# KiCad board handcart.kicad_pcb (continued)
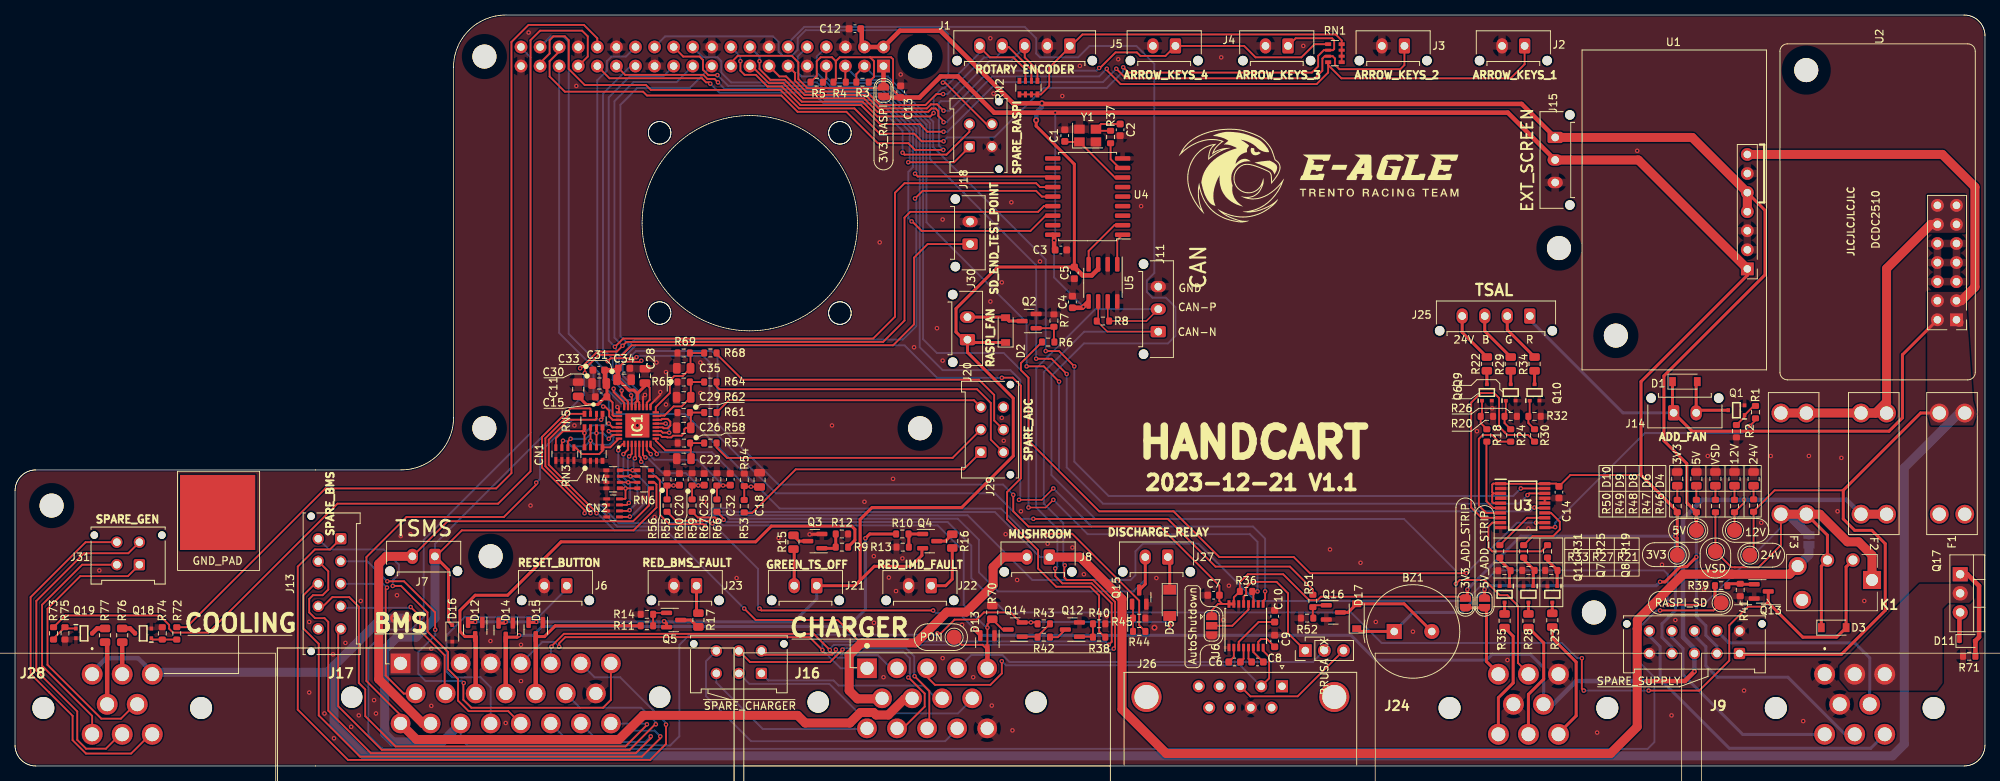
[diagram p0: board, top side]
## Routing (per net, layer and track width the routed paths; a pad name or vN(x,y) marks a point on that pad's centre or on a via; arc(x,y) is an arc through that point) (continued)
/Raspberry/RASP_MISO: length 135.9
  Top w0.25: v1(75.23,52.97) 75.3,52.97 77.53,55.19 80.12,55.19 v1(80.88,55.95) 81.4,56.47 115.56,56.47 118.41,59.32 118.41,73.03 119.17,73.79 136.19,73.79 136.95,74.56 U4.15 ; v1(78.3,47.86) 78.54,47.86 79.1,47.3 79.1,46.56 79.56,46.1 IC1.27
  Bottom w0.25: v1(78.3,47.86) 77.01,49.16 77.01,52.46 76.24,53.22 75.48,53.22 v1(75.23,52.97) ; v1(80.88,55.95) 79.8,57.03 79.8,88.53 82.34,91.07 88.07,91.07 J19.21
/Raspberry/RASP_MOSI: length 137.5
  Top w0.25: U4.14 136.7,75.83 135.93,76.59 120.82,76.59 v1(119.81,75.57) ; v1(79.68,50.24) 79.68,49.78 81.1,48.37 IC1.24
  Bottom w0.25: 81.69,55.97 81.69,56.16 80.58,57.26 80.58,88.04 82.85,90.3 89.85,90.3 J19.19 ; 81.69,55.97 81.69,55.72 80.45,54.48 80.45,51.81 82.64,49.62 82.64,49.1 82.28,48.73 80.99,48.73 79.68,50.03 v1(79.68,50.24) ; 81.69,55.97 82.5,56.78 118.15,56.78 119.98,58.6 119.98,75.4 v1(119.81,75.57)
/Raspberry/RASP_~{CS}: length 69.9
  Top w0.25: v1(93.5,92) 92.3,92 91.58,92.72 91.58,94.02 91.12,94.48 88.94,94.48 J19.24 ; v1(119.36,72.52) 119.42,72.52 120.69,71.25 135.17,71.25 137.2,73.29 U4.16
  Bottom w0.25: v1(119.36,72.52) 118.92,72.96 118.92,79.13 119.53,79.74 119.53,84.68 115.08,89.13 108.02,89.13 106.57,90.58 94.92,90.58 v1(93.5,92)
/RESET_BUTTON: length 35
  Bottom w0.25: 73.45,23.61 69.64,19.81 59.85,19.81 57.45,17.41 57.45,12.58 58.21,11.82 61.98,11.82 63.32,10.47 63.32,5.64
/ROT_A: length 86.5
  Top w0.25: 134.41,95.73 134.41,94.37 136.11,92.67 RN2.5 ; 72.43,95.13 71.16,93.86 71.16,91.83 73.2,89.8 83.61,89.8 84.12,89.29 102,89.29 104.18,87.12 110.67,87.12 114.85,82.94 118.92,82.94 119.82,82.04 v1(123.57,82.04)
  Bottom w0.25: v1(123.57,82.04) 122.98,82.63 122.98,88.27 123.23,88.53 124.38,88.53 129.77,93.92 132.6,93.92 134.41,95.73
/ROT_B: length 40.8
  Top w0.25: v1(123.55,89.48) 122.66,89.48 121.2,88.02 115.17,88.02 113.37,89.82 105.3,89.82 103.83,91.28 103.83,92.29 J19.11 ; RN2.6 135.31,92.71 132.28,95.73 131.41,95.73
  Bottom w0.25: 131.41,95.18 130.6,94.37 129.01,94.37 124.12,89.48 v1(123.55,89.48)
/RS_232+FEEDBACK/ADC_0: length 13.5
  Top w0.25: v1(75.81,44.33) RN3.4 ; v1(75.81,44.33) RN5.5 ; v1(75.81,44.33) 75.55,44.58 72.94,44.58 72,43.64 CN1.8 ; v1(79.04,45.6) 79.54,45.1 IC1.29
  Bottom w0.25: v1(79.04,45.6) 78.78,45.35 76.82,45.35 v1(75.81,44.33)
/RS_232+FEEDBACK/ADC_1: length 14.3
  Top w0.25: v1(72.94,43.31) 72.8,43.17 CN1.7 ; IC1.30 79.05,44.6 v1(79.04,44.58) ; RN3.3 v1(76.61,43.31) RN5.6
  Bottom w0.25: v1(79.04,44.58) 79.04,44.45 79.66,43.83 79.66,43.31 79.16,42.81 77.11,42.81 v1(76.61,43.31) 75.84,42.55 74.09,42.55 73.33,43.31 v1(72.94,43.31)
/RS_232+FEEDBACK/ADC_2: length 11.3
  Top w0.25: RN5.7 v1(77.41,44.33) RN3.2 ; IC1.31 79.57,44.1 v1(79.04,43.57) ; v1(73.96,43.57) 73.6,43.21 CN1.6
  Bottom w0.25: v1(79.04,43.57) 78.28,44.33 v1(77.41,44.33) 76.74,44.33 75.98,43.57 v1(73.96,43.57)
/RS_232+FEEDBACK/ADC_3: length 10.1
  Top w0.25: RN3.1 78.21,41.97 77.77,41.54 75.48,41.54 74.63,42.39 CN1.5 ; RN3.1 79.24,42.44 IC1.32 ; RN3.1 RN5.8
/RS_232+FEEDBACK/ADC_4: length 11.3
  Top w0.2: v1(80.31,42.04) 80.31,42.11
  Top w0.25: v1(80.31,42.04) 80.31,42.3 80.91,42.9 IC1.1 ; v1(81.27,36.96) 81.28,36.98 RN6.8 ; v1(81.27,36.96) 81.27,35.64 81.2,35.57 CN2.8 ; v1(81.27,36.96) 81.25,36.98 RN4.1
  Bottom w0.25: v1(81.27,36.96) 81.27,37.25 80.31,38.21 v1(80.31,42.04)
/RS_232+FEEDBACK/ADC_5: length 12.3
  Top w0.25: RN6.7 v1(81.63,37.78) RN4.2 ; v1(81.72,35.04) 81.45,34.77 CN2.7 ; IC1.2 81.6,42.14 v1(80.99,41.54)
  Bottom w0.25: v1(81.72,35.04) 81.89,35.21 81.89,37.51 v1(81.63,37.78) 80.99,38.42 v1(80.99,41.54)
/RS_232+FEEDBACK/ADC_6: length 13.7
  Top w0.25: CN2.6 81.72,33.97 v1(81.8,34.06) ; RN4.3 v1(81.92,38.58) RN6.6 ; IC1.3 82.1,41.57 v1(81.75,41.22)
  Bottom w0.25: v1(81.75,41.22) 81.58,41.05 81.58,38.92 v1(81.92,38.58) 82.85,37.65 82.85,35.1 v1(81.8,34.06)
/RS_232+FEEDBACK/ADC_7: length 15.5
  Top w0.25: v1(82.51,40.97) 82.6,41.06 IC1.4 ; RN4.4 v1(82.21,39.38) RN6.5 ; CN2.5 81.8,33.17 v1(81.84,33.21)
  Bottom w0.25: v1(82.51,40.97) 82.34,40.8 82.34,39.5 v1(82.21,39.38) 84.23,37.35 84.23,35.43 82.01,33.21 v1(81.84,33.21)
/RS_232+FEEDBACK/ADC_8: length 11.3
  Top w0.25: 88.44,37.35 v1(87.66,37.35) R56.2 86.79,35.77 ; v1(83.36,40.52) 83.3,40.58 83.3,41.07 83.1,41.27 IC1.5
  Bottom w0.25: v1(87.66,37.35) 86.53,37.35 v1(83.36,40.52)
/RS_232+FEEDBACK/ADC_9: length 14
  Top w0.25: R59.1 R60.2 v1(90.96,37.35) 91.74,37.35 ; v1(83.92,41.08) 83.6,41.41 IC1.6
  Bottom w0.25: v1(83.92,41.08) 84.15,41.08 86.24,39 89.31,39 v1(90.96,37.35)
/RS_232+FEEDBACK/ADC_10: length 16.7
  Top w0.25: IC1.7 84.1,42.06 v1(84.63,41.54) ; R66.1 R67.2 v1(94.26,37.35) 95.21,37.35
  Bottom w0.25: v1(94.26,37.35) 90.84,40.77 85.12,40.77 84.63,41.27 v1(84.63,41.54)
/RS_232+FEEDBACK/ADC_11: length 20
  Top w0.25: 97.08,35.51 97.08,37.19 v1(97.97,37.19) 99.11,37.19 ; v1(85.43,41.54) 85.43,41.71 84.6,42.54 IC1.8
  Bottom w0.25: v1(85.43,41.54) 85.68,41.79 92.75,41.79 97.35,37.19 v1(97.97,37.19)
/RS_232+FEEDBACK/ADC_12: length 9.3
  Top w0.25: IC1.9 85.3,43.32 86.58,42.04 89.91,42.04 89.95,42.09 89.95,42.14 ; 89.95,42.14 89.95,43 ; 89.95,42.14 89.95,40.96 ; 91.65,43 89.95,43
/RS_232+FEEDBACK/ADC_13: length 9.3
  Top w0.25: IC1.10 85.88,44.1 86.15,43.82 86.76,43.82 86.82,43.76 87.36,43.76 87.58,43.98 88.75,43.98 89.09,44.33 89.09,44.84 89.29,45.03 C26.1 89.96,46.94 ; 91.65,47.07 89.92,47.07
/RS_232+FEEDBACK/ADC_14: length 9.5
  Top w0.25: 89.96,51.01 C29.1 88.75,47.89 87.67,47.89 86.46,46.67 85.95,46.67 85.88,46.6 IC1.15 ; R64.1 R65.2
/RS_232+FEEDBACK/ADC_15: length 12.2
  Top w0.25: 89.92,54.91 C35.1 88.89,51.93 87.77,51.93 87.17,51.33 87.17,49.66 85.3,47.8 IC1.16 ; 91.65,55 R69.2
/RS_232+FEEDBACK/COIL_DISCHARGE_FB: length 87.1
  Top w0.25: RN6.3 85.3,38.58 85.84,38.04 85.84,33.47 87.11,32.2 91.63,32.2 v1(91.87,31.96)
  Top w0.4: Q15.3 150.46,24.23 J27.2
  Bottom w0.25: J27.2 150.46,24.82 148.89,23.25 130.85,23.25 128.31,25.79 128.31,30.11 125.49,32.93 95.13,32.93 94.66,33.41 93.07,33.41 91.87,32.21 v1(91.87,31.96)
/RS_232+FEEDBACK/COOLING_1: length 4
  Top w0.6: R76.2 14.27,12.47
/RS_232+FEEDBACK/COOLING_2: length 8.1
  Top w0.6: R77.2 12.27,16.21 12.27,8.47
/RS_232+FEEDBACK/NC_ADC_11: length 34.9
  Top w0.25: J29.1 126.28,39.5 103.93,39.5 98.11,33.68 97.07,33.68
/RS_232+FEEDBACK/NC_ADC_12: length 37.9
  Top w0.25: R57.2 93.39,42.42 94.79,41.03 124.81,41.03 J29.2
/RS_232+FEEDBACK/NC_ADC_13: length 36.2
  Top w0.25: J29.3 127.65,48.71 95.03,48.71 R61.2
/RS_232+FEEDBACK/NC_ADC_14: length 45.2
  Top w0.25: J29.4 129.9,43.46 129.9,48.34 128.06,50.17 93.77,50.17 93.39,50.55 R64.2
/RS_232+FEEDBACK/NC_ADC_15: length 44.3
  Top w0.25: 93.39,54.87 96.82,51.44 128.31,51.44 130.35,49.41 130.35,46.01 J29.5
/RS_232+FEEDBACK/NC_GEN_1: length 37.9
  Top w0.25: J31.1 15.03,25.28 8.68,25.28 4.32,20.92 4.32,13.47 11.49,6.3 14.1,6.3 16.27,8.47
/RS_232+FEEDBACK/NC_GEN_2: length 31.9
  Top w0.25: J31.2 8.93,26.8 3.6,21.47 3.6,13.34 10.27,6.67 10.27,4.47
/RS_232+FEEDBACK/NC_GEN_3: length 45.1
  Top w0.25: J31.3 15.08,28.33 9.19,28.33 2.84,21.98 2.84,12.71 8.29,7.26 8.29,3.47 9.46,2.3 12.1,2.3 14.27,4.47
/RS_232+FEEDBACK/NC_GEN_4: length 48.4
  Top w0.25: 18.27,4.47 15.45,1.66 9.44,1.66 7.66,3.44 7.66,6.68 4.53,9.81 4.52,9.81 2.08,12.26 2.08,22.49 9.39,29.8 J31.4
/RS_232+FEEDBACK/PC_TX: length 16.8
  Top w0.25: JP5.3 170.75,9.28 164.46,9.28 J26.3
/RS_232+FEEDBACK/RASP_COOL_1: length 124.7
  Top w0.25: R72.2 22.84,18.48 41.32,36.96 64.05,36.96 66.08,39 66.08,96.41 68.36,98.69 75.74,98.69 77.51,96.91 J19.32
/RS_232+FEEDBACK/RASP_COOL_2: length 144.6
  Top w0.25: J19.33 76.24,94.48 76.24,97.16 75.48,97.92 69.89,97.92 68.62,96.65 68.62,39.25 64.31,34.93 42.92,34.93 25.75,17.76 21.04,17.76 20.52,18.28 20.52,18.79 19.26,20.05 6.69,20.05 R73.2
/RS_232+FEEDBACK/RASP_RX: length 128.7
  Top w0.2: v1(133.65,35.44) 136.7,35.44 v1(138.22,36.96)
  Top w0.25: v1(166.41,23.25) 166.41,22.23 166.15,21.97 U6.9
  Bottom w0.25: J19.10 104.18,94.48 104.18,92.34 104.69,91.83 106.6,91.83 108.4,90.03 115.46,90.03 120.43,85.05 120.43,55.77 123.49,52.71 132.5,52.71 133.82,51.39 133.82,35.61 v1(133.65,35.44) ; v1(138.22,36.96) 143.3,31.88 164.8,31.88 166.41,30.27 v1(166.41,23.25)
/RS_232+FEEDBACK/RASP_TX: length 124.9
  Top w0.2: v1(134.92,34.42) 137.2,34.42 v1(138.22,35.44)
  Top w0.25: U6.11 164.85,23.1 ; v1(165.4,23.25) R36.2
  Bottom w0.25: v1(138.22,35.44) 142.79,30.87 164.38,30.87 165.4,29.85 v1(165.4,23.25) ; J19.8 106.72,94.48 106.72,92.34 108.58,90.48 115.64,90.48 120.88,85.24 120.88,56.84 122.73,55 131.62,55 134.92,51.7 v1(134.92,34.42)
/RS_232+FEEDBACK/RASP_TX_RS232: length 17.4
  Top w0.25: JP5.1 169.46,17.67 169.46,22.99 167.94,24.52 164.64,24.52 163.87,23.76 163.87,22.86 163.55,22.53 U6.13
/RS_232+FEEDBACK/RELAY_SUTHDOWN_FB: length 187.6
  Top w0.25: v1(208.83,10.04) 208.58,10.29 v1(208.58,14.36) ; Q13.3 233.39,21.9 232.71,21.22 230.68,21.22 228.2,18.74 228.2,14.04 224.2,10.04 v1(217.47,10.04) ; v1(94.33,32.78) 94.33,32.96 R66.2
  Top w0.4: Q13.3 233.39,21.75 237.99,17.15 242.49,17.15 D3.2 243.76,26.51 K1.2
  Bottom w0.25: v1(94.33,32.78) 94.4,32.78 94.7,32.48 124.16,32.48 127.3,29.34 127.3,25.03 131.87,20.45 144.96,20.45 145.07,20.57 145.59,20.57 145.71,20.45 177.84,20.45 181.91,16.39 205.9,16.39 207.93,14.36 v1(208.58,14.36) ; v1(208.83,10.04) v1(217.47,10.04)
/RS_232+FEEDBACK/~{CS}: length 48.3
  Top w0.25: v1(80.75,49.99) 80.75,49.35 81.6,48.5 IC1.23
  Bottom w0.25: 81.94,93.21 78.28,89.54 78.28,55.51 79.55,54.24 79.55,51.44 80.75,50.24 v1(80.75,49.99)
/SD_BMS_IN: length 137.2
  Top w0.25: 51.32,6.77 46.78,11.31 46.78,27.82 52.11,33.15 65.07,33.15 69.38,37.47 v1(69.38,37.73) ; v1(78.02,46.11) 78.21,46.29 RN5.1
  Top w1.2: 119.46,8.94 118.4,8.94 116.26,6.79 114.62,6.79 114.29,7.12 112.54,7.12 111.14,5.72 105.2,5.72 104.18,6.74 83.61,6.74 80.4,3.53 53.43,3.53 51.32,5.64
  Bottom w0.25: v1(69.38,37.73) 69.89,38.24 69.89,41.79 74.21,46.11 v1(78.02,46.11)
/SD_BMS_OUT: length 66.3
  Top w0.25: RN6.1 84.37,36.7 84.37,34.68 82.28,32.59 57.57,32.59 J7.2
  Top w1.2: 55.32,5.64 54.33,5.64 48.41,11.56 48.41,26.91 49.41,27.91 J7.2
/SD_END: length 296
  Top w0.25: 133.87,19.12 132.53,20.45 128.99,20.45 128.03,19.49 125.08,19.49 123.24,17.66 v1(122.78,17.66) ; Q14.2 135.94,19.12 ; v1(75.85,52.32) 75.85,52.88 77.71,54.74 80.81,54.74 82.09,56.02 116.89,56.02 119.68,58.81 119.68,67.7 121.48,69.5 J30.1 ; 56.02,27.91 59.48,31.38 82.34,31.38 85.39,34.42 85.39,37.49 85.1,37.78 RN6.2 ; D5.2 v1(153.71,18.68)
  Top w0.4: D16.1 57.7,19.27 57.7,26.11 J7.1
  Bottom w0.25: 59.32,5.64 59.32,3.59 60.19,2.73 87.22,2.73 88.44,3.94 88.44,16.14 89.79,17.49 122.61,17.49 v1(122.78,17.66) ; J7.1 55.9,29.57 75.74,49.41 75.74,52.2 v1(75.85,52.32) ; v1(153.71,18.68) 153.21,19.18 135.3,19.18 v1(135.24,19.12)
  Bottom w1.2: 59.32,5.64 56.89,3.2 50.31,3.2 49.21,4.31 49.21,15.52 50.84,17.15 53.38,17.15 55.9,19.67 J7.1
/SD_TO_CHARGER: length 103.2
  Top w0.25: RN5.2 77.41,46.25 77.26,46.11 73.7,46.11 71.05,43.45 71.05,40.11 77.41,33.75 v1(77.41,33.66) ; 112.82,16.39 112.57,16.39 109.52,19.44 98.6,19.44 v1(97.07,20.96)
  Top w1.2: J8.2 131.55,27.82 130.2,26.47 130.2,24.07 126.63,20.49 124.04,20.49 119.93,16.39 112.68,16.39 111.04,14.75 111.04,10.04 112.14,8.94 115.46,8.94
  Bottom w0.25: v1(97.07,20.96) 86.66,31.38 79.8,31.38 77.51,33.66 v1(77.41,33.66)
/SD_TO_MUSHROOM: length 229.2
  Top w0.25: RN5.3 76.61,47.54 76.53,47.62 73.94,47.62 70.15,43.82 70.15,39.74 75.81,34.07 v1(75.81,33.66)
  Top w1.2: K1.4 236.22,25.53 228.56,25.53 228.56,25.54 222.09,25.54 215.96,19.41 215.96,18.29 215.94,18.28 215.94,5.21 212.39,1.66 153.26,1.66 147.36,7.55 147.36,22.23 141.78,27.82 J8.1
  Bottom w0.25: v1(75.81,33.66) 75.81,33.75 76.8,34.74 77.97,34.74 80.37,32.33 90.72,32.33 92.69,34.31 95.03,34.31 95.5,33.83 130.43,33.83 135.11,29.15 135.13,29.15 135.76,28.52 135.76,28.5 136.44,27.82 J8.1
  Bottom w1.2: 238.8,29.36 238.8,28.12 K1.4
/TSAL: length 72.9
  Top w0.4: 110.85,29.12 111.8,30.07 111.8,31.52 111.38,31.94 100.69,31.94 98.6,29.85 72.69,29.85 65.58,22.74 61.26,22.74 59.23,20.71 59.23,17.91 59.91,17.23 D12.3
  Top w0.6: D12.3 61.32,17.17 61.32,9.64
VSD: length 261.7
  Top w0.25: RN5.4 73.85,46.89 70.6,43.64 70.6,39.92 76.61,33.91 v1(76.61,33.66) ; 226.36,33.79 TP5.1 228.48,26.46 228.94,26.46 228.95,26.46 232.11,26.46 235.07,29.42 F3.2 ; v1(224.83,21.47) v1(220.01,21.47)
  Top w0.4: D3.1 240.46,26.61 K1.3 241.27,30.74 F3.2
  Top w1.2: K1.1 247.21,28.05 245.41,29.85 243.93,29.85 240.25,33.53 F3.2 F3.2
  Bottom w0.25: v1(220.01,21.47) 220.01,25.53 219.5,26.04 197.15,26.04 193.08,21.98 165.14,21.98 157.52,29.6 150.16,29.6 149.14,28.58 149.14,25.41 148.51,24.77 135.43,24.77 126.81,33.38 95.32,33.38 94.84,33.86 92.88,33.86 90.91,31.88 80.18,31.88 77.78,34.29 77.15,34.29 76.61,33.75 v1(76.61,33.66) ; F3.2 235.07,31.75 224.83,21.51 v1(224.83,21.47)
  Bottom w1.2: JP1.1 236.03,33.53 F3.2
Net-(BZ1-Pad2): length 14.2
  Top w0.4: BZ1.2 184.92,21.6 D17.2 177.46,20.45 Q16.3
Net-(C1-Pad1): length 9.6
  Top w0.25: U4.7 146.43,78.37 Y1.1 139.82,83.1
Net-(C2-Pad1): length 5.2
  Top w0.25: R37.2 144.11,84.59 ; C2.1 144.58,85.49 Y1.3
Net-(C6-Pad1): length 2.2
  Top w0.25: U6.2 162.25,14.52 C6.1
Net-(C6-Pad2): length 2.1
  Top w0.25: U6.4 163.55,14.27 C6.2
Net-(C8-Pad1): length 2.1
  Top w0.25: C8.1 164.2,14.27 U6.5
Net-(C8-Pad2): length 2.5
  Top w0.25: C8.2 164.85,15.17 U6.6
Net-(C9-Pad1): length 3.5
  Top w0.25: 167.68,15.88 166.67,16.9 165.87,16.9 165.5,16.53 U6.7
Net-(C10-Pad1): length 6.6
  Top w0.25: C10.1 165.54,19.17 162.9,16.53 U6.3
Net-(D1-Pad2): length 7.9
  Top w0.4: J14.2 223.79,51.04 ; 228.07,47.38 224.14,47.38
Net-(D2-Pad2): length 7.4
  Top w0.4: J20.2 131.79,59.78 ; Q2.3 132.32,59.25 D2.2
Net-(D4-Pad2): length 1.8
  Top w0.25: R46.2 D4.2
Net-(D5-Pad1): length 4.1
  Top w0.4: 153.71,27.57 D5.1
Net-(D6-Pad2): length 1.9
  Top w0.25: R47.2 D6.2
Net-(D8-Pad2): length 1.9
  Top w0.25: R48.2 D8.2
Net-(D9-Pad2): length 1.9
  Top w0.25: R49.2 D9.2
Net-(D10-Pad2): length 1.9
  Top w0.25: R50.2 D10.2
Net-(D11-Pad1): length 3.7
  Top w0.6: D11.1 258.84,20.35
Net-(D11-Pad2): length 12.8
  Top w0.6: Q17.1 259.9,25.53 261.45,23.98 261.45,17.16 D11.2 260.96,16.61 R71.1
Net-(F2-Pad1): length 46.5
  Top w1.2: 249.14,48.47 247.67,47 F2.1 ; 249.14,48.47 F2.1 F2.1 ; 249.14,48.47 249.14,66.23 255.03,72.12 U2.12 ; F3.1 F3.1 F2.1
Net-(IC1-Pad11): length 4.6
  Top w0.25: v1(87.08,44.38) 86.22,44.38 86.01,44.6 IC1.11 ; IC1.13 v1(86.61,45.6)
  Bottom w0.25: v1(87.08,44.38) 87.08,45.12 v1(86.61,45.6)
Net-(IC1-Pad12): length 4.8
  Top w0.25: IC1.14 86.02,46.1 86.14,46.22 86.87,46.22 87.24,45.85 87.24,45.34 86.87,44.97 86.35,44.97 86.23,45.1 IC1.12
Net-(J19-Pad1): length 26.4
  Top w0.25: 115.43,90.27 105.48,90.27 104.28,91.47 104.28,93.69 103.4,94.57 96.21,94.57 95.29,93.66
  Top w0.6: JP2.1 J19.1
Net-(J21-Pad2): length 4.4
  Top w0.4: 103.72,28.38 J21.2
Net-(J22-Pad1): length 7.3
  Top w0.4: J22.1 123.89,24.01 124.76,24.88 R16.2
Net-(J23-Pad1): length 3.5
  Top w0.4: 90.72,20.52 J23.1
Net-(J24-Pad1): length 11.7
  Top w0.4: 197.47,12.33 195.88,13.91 195.88,20.82 ; JP3.1 JP4.1
Net-(JP6-Pad2): length 6.5
  Top w0.25: U6.12 164.2,20.83 162.05,18.68 JP6.2
Net-(Q1-Pad1): length 3.5
  Top w0.25: 231.46,47.95 Q1.1 230.24,46.49 R2.1
Net-(Q2-Pad1): length 4.1
  Top w0.25: R7.1 138.3,56.52 ; Q2.1 138.11,58.3
Net-(Q3-Pad1): length 3.4
  Top w0.4: 107.46,28.98 109.06,28.98 ; 109.25,29.17 109.25,30.94
Net-(Q3-Pad3): length 2.2
  Top w0.4: Q3.3 104.39,29.94 R15.1
Net-(Q4-Pad1): length 3.6
  Top w0.4: R13.1 118.99,30.84 ; R10.2 Q4.1
Net-(Q4-Pad3): length 2.4
  Top w0.4: Q4.3 123.85,29.94 R16.1
Net-(Q5-Pad1): length 3.1
  Top w0.2: Q5.1 85.13,20.39
  Top w0.25: R14.1 R11.2
Net-(Q5-Pad3): length 2.5
  Top w0.4: 90.78,18.61 89.96,19.44 Q5.3
Net-(Q6-Pad1): length 4
  Top w0.25: R20.1 195.11,45.67 R18.1 ; 195.28,46.73 Q6.1
Net-(Q6-Pad3): length 1.8
  Top w0.4: R22.1 Q6.3
Net-(Q7-Pad1): length 4.3
  Top w0.4: Q7.1 205.29,25.99 ; R19.1 204.01,27.37 R21.1
Net-(Q7-Pad3): length 1.5
  Top w0.4: R23.1 Q7.3
Net-(Q8-Pad1): length 4.2
  Top w0.4: Q8.1 202.12,25.87 ; R25.1 200.83,27.5 R27.1
Net-(Q8-Pad3): length 1.5
  Top w0.4: 201.47,20.25 Q8.3
Net-(Q9-Pad1): length 4
  Top w0.25: R24.1 198.28,45.67 R26.1 ; 198.46,46.73 Q9.1
Net-(Q9-Pad3): length 1.8
  Top w0.4: R29.1 Q9.3
Net-(Q10-Pad1): length 4
  Top w0.25: R30.1 201.46,45.67 R32.1 ; 201.63,46.73 Q10.1
Net-(Q10-Pad3): length 1.8
  Top w0.4: R34.1 Q10.3
Net-(Q11-Pad1): length 4.2
  Top w0.4: R33.1 197.66,27.44 R31.1 ; 198.94,23.95 198.94,25.85
Net-(Q11-Pad3): length 1.5
  Top w0.4: Q11.3 198.29,20.25
Net-(Q12-Pad1): length 3.5
  Top w0.25: 143.49,18.93 143.49,17.15 ; Q12.1 143.42,17.22
Net-(Q12-Pad3): length 2.5
  Top w0.25: Q12.3 138.81,17.15 R42.2
Net-(Q13-Pad1): length 3.6
  Top w0.4: Q13.1 229.73,24.2 ; R39.1 228.2,24.26 R41.1
Net-(Q14-Pad1): length 4.3
  Top w0.25: 136.12,17.28 R43.2 ; Q14.1 136.06,17.22
Net-(Q15-Pad1): length 3.5
  Top w0.2: R44.2 R45.1 148.82,21.42
Net-(Q16-Pad1): length 2.9
  Top w0.25: 172.76,21.15 172.76,19.75 ; Q16.1 173.01,21.4
Net-(Q18-Pad1): length 3.5
  Top w0.25: R72.1 R74.1 18.32,16.83 Q18.1
Net-(Q18-Pad3): length 2
  Top w0.6: R76.1 15.32,18.32 Q18.3
Net-(Q19-Pad1): length 3.4
  Top w0.25: 5.12,16.96 R75.1 ; Q19.1 6.82,18.31
Net-(Q19-Pad3): length 2
  Top w0.6: R77.1 10.93,18.32 10.27,17.66
Net-(R37-Pad1): length 3.8
  Top w0.25: R37.1 145.84,80.81 147.02,79.64
Net-(U4-Pad1): length 4.2
  Top w0.25: U5.1 146.73,70.03 U4.1
Net-(U4-Pad2): length 7.7
  Top w0.25: U5.4 142.92,68.59 146.35,72.02 U4.2

## Copper pours and planes (outline as drawn; the poured copper is in the pictures)
+24V on Top: 260.65,48.65 261.16,46.87 260.65,45.35 255.06,45.35 254.55,47.12 254.55,63.13 259.63,63.13
+24V on Top: 52.88,20.2 52.88,16.14 53.13,15.37 53.64,15.12 55.67,15.12 56.18,14.87 56.69,14.36 56.88,13.63 56.69,12.58 55.92,12.07 49.83,12.07 49.83,20.2 50.34,20.71 52.37,20.71
GND on Top: 265.47,100.72 264.97,29.6 264.97,-1.14 -1.23,-1.14 -1.23,41.28 51.61,41.28 55.92,45.6 55.67,100.97
GND on Bottom: 266.49,102.75 -3,102.75 -3,-2.66 266.49,-2.66
Net-(D11-Pad1) on Bottom: 262.17,36.71 262.17,27.57 261.66,27.06 257.85,27.06 257.35,26.55 257.35,22.23 257.85,21.72 261.66,21.72 262.17,21.22 262.17,16.9 261.41,16.14 253.03,16.14 252.52,16.64 252.52,36.71 253.03,37.22 261.66,37.22
Net-(D11-Pad1) on Bottom: 262.17,20.45 260.39,20.45 260.39,21.72 260.65,21.98 260.65,26.8 260.39,27.06 260.39,28.07 262.17,28.07
Net-(F2-Pad1) on Top: 259.63,71 254.55,71 254.55,76.08 259.63,76.08
Net-(J9-Pad2) on Top: 260.65,22.23 260.14,21.72 257.35,21.72 256.58,20.96 256.58,11.06 255.82,10.04 244.14,10.04 242.87,11.56 242.87,13.34 244.39,14.87 249.98,20.71 253.54,24.26 260.14,24.26 260.65,23.76

## Text on the board
B.Silkscreen: NC_IN_4 | NC_IN_2 | NC_IN_3 | NC_IN_1 | 24V | NC_GEN_2 | COOLING_2 | NC_GEN_3 | COOLING_1 | NC_GEN_1 | NC_GEN_4 | GND_PAD | SD_BMS_IN | NC_BMS_3 | SD_BMS_OUT | NC_BMS_4 | SD_END | GND | TSAL | RESET_BUTTON | IMD_LED | SPARE_CHARGER | CAN_P | NC_BMS_1 | BMS_LED | CAN_L | NC_BMS_5 | NC_BMS_2 | NC_CRG_3 | SD_TO_CHARGER | NC_CRG_4 | NC_CRG_5 | NC_CRG_1 | NC_CRG_6 | NC_CRG_2 | SPARE_SUPPLY | 6 | 1 | 4 | 5 | 8 | 3 | 16 | 9 | 40 | 39 | 15 | 23 | 10 | 2 | +5V | SD-END | 14 | BRUSA_TX | BRUSA_RX | CAN-P | CAN-N | PON | 3V3_ADD_STRIP | 5V_ADD_STRIP | STRIP1_B | STRIP1_G | ADD_RGB_STRIP | R | G | +12V | B | STRIP1_R | 3V3 | 5V | +24V | 7 | 12V | SPARE_GEN | SPARE_BMS | TSMS | RED_BMS_FAULT | GREEN_TS_OFF | RED_IMD_FAULT | RASPI_FAN | SD_END_TEST_POINT | ROTARY ENCODER | MUSHROOM | SPARE_RASPI | SPARE_ADC | DISCHARGE_RELAY | ARROW_KEYS_4 | ARROW_KEYS_3 | ARROW_KEYS_2 | BRUSA RX BYPASS | ARROW_KEYS_1 | ADD_FAN | EXT_SCREEN | CAN
F.Silkscreen: JLCJLCJLCJLC | GND | CAN-P | CAN-N | 24V | B | G | R | 3V3 | 5V | VSD | 12V | 2023-12-21 V1.1 | BMS | CHARGER | HANDCART
